# Allegro board ZC7020-PCB.brd (continued)
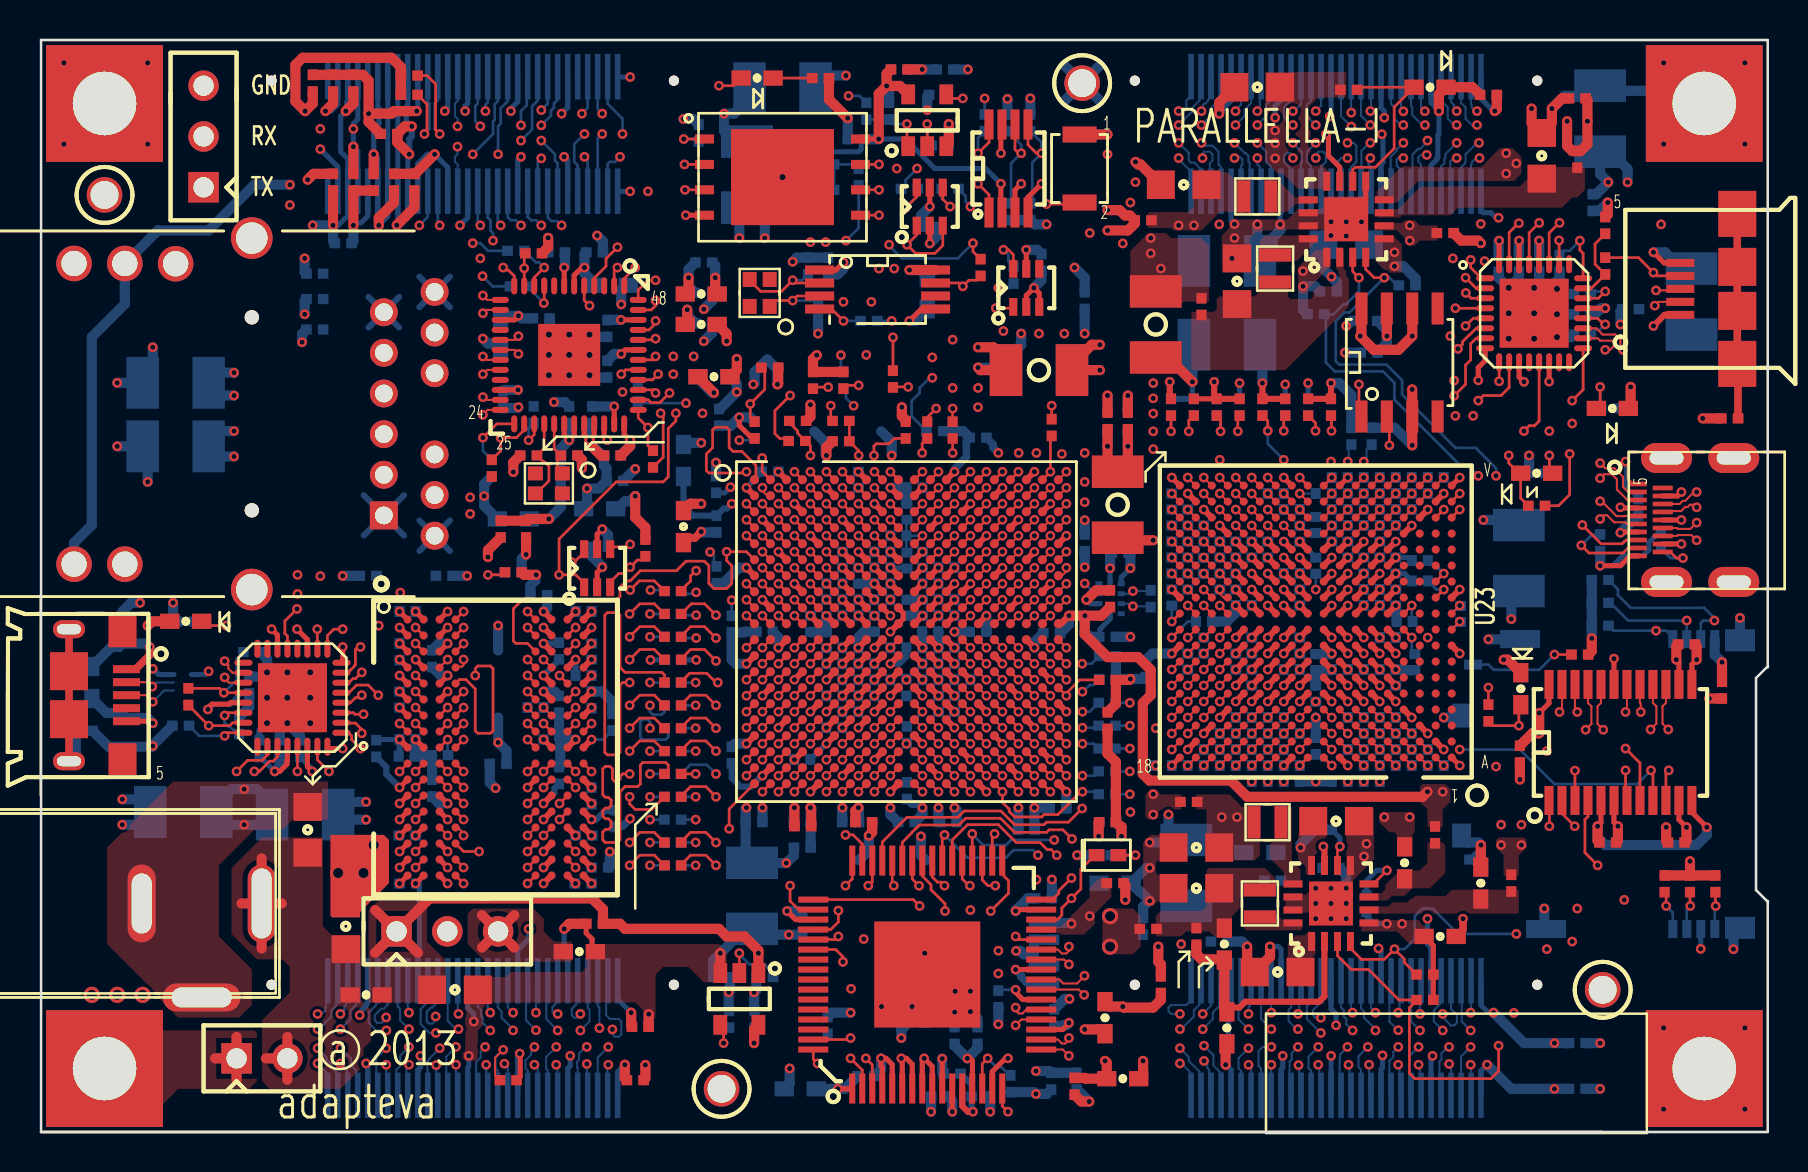
[diagram p0: board, top side]
## Routing (per net, layer and track width the routed paths; a pad name or vN(x,y) marks a point on that pad's centre or on a via; arc(x,y) is an arc through that point) (continued)
QSPI_CS_L: length 29.9
  TOP w0.133: U7.1 v1(32.2,49.66) ; U2.A7 v1(40.13,33.02)
  L3_SIG w0.108: v1(39.3,44.5) 38.69,45.11 34.77,45.11 34.66,45.22 34.66,47.14 34.55,47.24 34.12,47.24 34.01,47.14 34.01,45.22 33.9,45.11 33.17,45.11 32.95,45.34 32.95,49.4 32.69,49.66 v1(32.2,49.66)
  L8_SIG w0.108: v1(40.13,33.02) 40.13,34.75 40.19,34.8 40.19,36.32 39.93,36.58 39.93,37.9 39.3,38.53 39.3,39.75 39.31,39.76 39.31,40.09 39.3,40.11 v1(39.3,44.5)
  BOTTOM w0.133: R28.2 32.83,49.66 v1(32.2,49.66)
QSPI_IO_0: length 32.6
  TOP w0.133: U7.5 v1(41.96,45.85) ; v1(41.71,33.83) 41.71,34.3 41.82,34.42 42.47,34.42 42.74,34.68 R48.1 ; U2.B8 v1(40.93,32.22)
  L8_SIG w0.108: v1(41.71,33.83) 41.71,34.16 41.46,34.42 41.46,37.72 40.82,38.35 40.82,39.87 41.08,40.13 41.08,43.56 41.2,43.68 41.2,45.09 41.33,45.21 48.06,45.21 48.19,45.34 48.19,46.74 48.06,46.86 43.36,46.86 42.34,45.85 v1(41.96,45.85)
  L10_SIG w0.108: v1(41.71,33.83) 41.33,33.45 41.33,32.62 v1(40.93,32.22)
QSPI_IO_1: length 38.1
  TOP w0.133: R51.2 38.74,37.25 v1(39.42,37.25) ; U2.D6 v1(39.33,30.62) ; U7.2 v1(32.23,48.39)
  L3_SIG w0.108: v1(39.42,37.25) 39.04,36.87 39.04,34.92 39.74,34.23 39.74,32.74 39.61,32.62 39.17,32.62 38.93,32.38 38.93,31.02 v1(39.33,30.62)
  L8_SIG w0.108: v1(31.68,38.79) 31.68,39.29 31.42,39.55 31.42,48.64 31.68,48.9 36.25,48.9 36.38,48.77 36.38,48.51 36.25,48.39 v1(32.23,48.39)
  L10_SIG w0.108: v1(39.42,37.25) 38.17,37.25 37.26,38.15 32.31,38.15 v1(31.68,38.79)
QSPI_IO_2: length 35.2
  TOP w0.133: U2.B7 v1(40.13,32.22) ; 33.24,47.12 v1(32.26,47.12) ; v1(40.95,37.34) 40.35,37.34 R50.2
  L3_SIG w0.108: v1(40.13,32.22) 40.33,32.41 40.33,32.47 40.54,32.68 40.54,34.45 40.19,34.8 40.19,36.58 v1(40.95,37.34)
  L8_SIG w0.108: v1(32.69,38.79) 32.37,39.1 32.37,39.36 31.9,39.83 31.9,43.94 32.16,44.2 33.2,44.2 33.33,44.32 33.33,44.7 33.2,44.83 32.18,44.83 31.9,45.11 31.9,46.33 32.18,46.61 35.49,46.61 35.61,46.74 35.61,47.12 35.49,47.24 32.39,47.24 v1(32.26,47.12)
  L10_SIG w0.108: v1(40.95,37.34) 40.57,37.72 38.29,37.72 37.54,38.47 35.74,38.47 35.11,39.1 33.01,39.1 v1(32.69,38.79)
QSPI_IO_3: length 33.6
  TOP w0.133: U7.7 v1(41.96,48.39) ; U2.A6 v1(39.33,33.02)
  L3_SIG w0.108: v1(41.96,48.39) 41.52,47.95 41.52,46.79 39.69,44.96 39.69,44.2 38.41,42.91 38.41,42.42 38.03,42.04 34.09,42.04 33.96,41.91 33.96,40.77 34.09,40.64 37.65,40.64 37.77,40.51 37.77,39.65 37.65,39.52 35.72,39.52 35.61,39.42 35.61,38.98 35.72,38.88 36.12,38.88 36.38,38.62 36.38,36.96 38.94,34.4 38.94,33.56 39.33,33.16 v1(39.33,33.02)
  BOTTOM w0.133: v1(41.96,48.39) 41.16,48.39 R97.1 40.73,48.39 R52.2 R76.2
REG_EN1: length 115.7
  TOP w0.133: v1(72.95,4.32) 72.95,3.05 72.57,2.67 68.76,2.67 68.49,2.94 68.49,6.21 68.85,6.57 R276.1 67.97,6.6 66.45,8.13 65.59,8.13 64.89,8.82 U29.3
  L5_SIG w0.108: v1(28.12,49.91) 28.12,50.29 28.76,50.93 31.8,50.93 31.93,51.06 32.56,51.06 33.09,50.53 39.28,50.53 39.93,51.18 40.95,51.18 41.2,51.44 42.85,51.44 42.98,51.56 44.63,51.56 44.88,51.31 44.88,50.29 45.27,49.91 46.15,49.91 46.28,50.04 50.35,50.04 50.98,49.4 55.17,49.4 55.93,48.64 55.93,48.39 57.58,46.74 63.17,46.74 63.68,46.23 73.08,46.23 73.46,45.85 73.46,44.2 74.35,43.31 76.07,43.31 76.51,42.87 76.51,37.85 77.14,37.21 77.14,35.31 76.76,34.92 76.13,34.92 75.75,34.54 75.36,34.54 74.98,34.16 74.98,31.24 72.95,29.21 72.95,24.26 72.7,24 72.7,22.86 72.95,22.61 72.95,20.07 73.33,19.68 73.33,18.14 73.15,17.96 73.15,16.33 72.57,15.75 72.57,9.4 73.08,8.89 73.08,6.48 73.21,6.35 73.21,4.57 v1(72.95,4.32)
  BOTTOM w0.133: J13.5 27.89,49.68 v1(28.12,49.91)
REG_EN2: length 98
  TOP w0.133: U29.10 64.89,14.16 v1(65.01,14.27)
  L5_SIG w0.108: v1(28.12,50.93) 28.5,51.31 32.18,51.31 32.31,51.44 34.47,51.44 35.36,52.32 41.07,52.32 41.58,51.82 42.73,51.82 42.85,51.94 44.76,51.94 46.28,50.42 50.73,50.42 50.85,50.29 54.92,50.29 56.31,48.9 56.31,48.51 57.71,47.12 63.3,47.12 63.81,46.61 73.59,46.61 74.48,45.72 74.48,44.32 75.11,43.69 76.25,43.69 77.52,42.42 77.52,35.05 77.02,34.54 76.38,34.54 76,34.16 76,31.11 74.35,29.46 74.35,25.4 73.97,25.02 73.97,22.73 73.33,22.1 73.33,20.19 73.71,19.81 73.71,18.01 73.43,17.73 73.43,15.72 v1(73.08,15.37)
  L10_SIG w0.108: v1(73.08,15.37) 71.68,15.37 70.03,13.72 67.11,13.72 66.73,13.34 65.95,13.34 v1(65.01,14.27)
  BOTTOM w0.133: J13.6 27.89,51.15 v1(28.12,50.93)
  BOTTOM w0.254: R277.1 65.01,14.71 v1(65.01,14.27)
REG_EN3: length 113.7
  TOP w0.133: R280.1 68.23,8.49 68.23,8.66 v1(67.74,9.14) 67.24,8.64 66.09,8.64 65.54,9.18 U29.4
  L5_SIG w0.108: v1(73.84,9.91) 73.84,11.94 75.94,14.04 75.94,18.12 76.49,18.67 76.49,21.35 75.24,22.61 75.24,24.38 76.13,25.27 76.13,30.23 77.52,31.62 77.52,33.78 79.05,35.31 79.05,37.59 79.94,38.48 79.94,42.42 77.14,45.21 77.14,47.24 70.79,53.59 28.76,53.59 26.6,51.44 26.6,49.78 27.23,49.15 v1(27.23,48.77)
  BOTTOM w0.133: v1(27.23,48.77) 27.39,48.61 J13.7 ; v1(73.84,9.91) 70.92,9.91 69.65,11.18 69.14,11.18 68.76,10.79 68.76,9.65 68.25,9.14 v1(67.74,9.14)
REG_EN4: length 103.8
  TOP w0.133: v1(67.36,13.08) 66.69,12.41 U29.8
  L5_SIG w0.108: v1(74.09,15.37) 74.73,16 74.73,17.78 75.36,18.41 75.49,18.41 75.87,18.8 75.87,19.43 75.6,19.7 75.6,21.48 74.86,22.23 74.86,24.64 75.49,25.27 75.49,30.1 77.14,31.75 77.14,33.91 78.67,35.43 78.67,37.72 79.57,38.62 79.57,41.66 77.16,44.07 75.75,44.07 75.49,44.32 75.49,45.72 74.22,46.99 64.06,46.99 63.55,47.5 61.27,47.5 60.38,48.39 60.38,51.18 60,51.56 56.06,51.56 55.17,50.67 50.98,50.67 50.85,50.8 46.41,50.8 44.76,52.45 43.74,52.45 43.23,52.96 41.07,52.96 40.8,53.23 35.76,53.23 34.34,51.82 32.31,51.82 32.06,51.56 31.04,51.56 30.91,51.69 27.87,51.69 v1(27.1,50.93)
  L10_SIG w0.108: v1(67.36,13.08) 70.16,13.08 71.94,14.86 73.59,14.86 v1(74.09,15.37)
  BOTTOM w0.133: v1(27.1,50.93) 27.39,51.22 J13.8
  BOTTOM w0.254: v1(67.36,13.08) 66.86,13.08 66.35,12.57 R283.1
RESET_N: length 25
  L3_SIG w0.108: v1(22.02,50.29) 21.77,50.55 21.77,51.44 22.41,52.07 30.28,52.07 30.79,51.56 32.44,51.56 33.71,52.83 38.15,52.83 39.17,51.82 v1(40.44,51.82)
  BOTTOM w0.133: v1(22.02,50.29) 21.77,50.55 21.77,51.31 21.89,51.44 J13.30 ; v1(40.44,51.82) 40.99,51.82 R98.2
RXI_CCLK_N: length 26.4
  TOP w0.102: v1(48.94,27.42) U2.H17 ; U23.K1 v1(71.01,26.33)
  L8_SIG w0.095: v1(48.94,27.42) 48.64,27.42 48.57,27.49 48.57,27.69 48.71,27.83 49.16,27.83 49.34,28.01 49.34,28.38 49.59,28.63 51.5,28.63 51.5,28.64 52.57,28.64 52.78,28.43 52.78,27.97 53,27.75 55.16,27.75 56.57,26.34 56.82,26.34 57.33,25.83 69.01,25.83 69.51,26.33 v1(71.01,26.33)
RXI_CCLK_P: length 26.1
  TOP w0.102: U23.J1 70.61,25.13 v1(71.01,25.53) ; v1(48.14,27.42) U2.H16
  L8_SIG w0.095: v1(71.01,25.53) 70.51,26.02 69.64,26.02 69.14,25.53 57.2,25.53 56.7,26.04 56.44,26.04 55.03,27.44 52.88,27.44 52.49,27.82 52.09,27.82 52.08,27.81 49.57,27.81 49.33,27.56 49.33,27.18 49.33,27.18 49.16,27.01 48.54,27.01 v1(48.14,27.42)
RXI_EA_DATA0_N: length 8.3
  TOP w0.102: U23.T18 v1(56.61,31.13) ; U2.A20 v1(51.34,33.02)
  L3_SIG w0.095: v1(56.61,31.13) 56.91,31.13 57.03,31.25 57.03,31.42 56.91,31.54 56.4,31.54 56.24,31.7 53.77,31.7 52.21,33.26 51.58,33.26 v1(51.34,33.02)
RXI_EA_DATA0_P: length 8.8
  TOP w0.102: U2.B19 v1(50.54,32.22) ; U23.U18 v1(56.61,31.93)
  L3_SIG w0.095: v1(50.54,32.22) 50.94,32.63 50.94,33.18 51.33,33.57 52.34,33.57 53.9,32 56.53,32 v1(56.61,31.93)
RXI_EA_DATA1_N: length 10.5
  TOP w0.102: U2.B20 v1(51.34,32.22) ; U23.R17 v1(57.41,30.33)
  L5_SIG w0.095: v1(57.41,30.33) 57.02,29.94 56.32,29.94 56.09,30.18 55.68,30.18 55.3,30.56 53.9,30.56 53.24,29.9 51.87,29.9 51.55,30.21 51.17,30.21 50.94,30.44 50.94,31.71 51.23,32 51.23,32.12 v1(51.34,32.22)
RXI_EA_DATA1_P: length 10.2
  TOP w0.102: U23.T17 v1(57.41,31.13) ; U2.C20 v1(51.34,31.42)
  L5_SIG w0.095: v1(57.41,31.13) 57.46,31.08 57.46,30.86 57.33,30.74 56.26,30.74 56.01,30.48 55.81,30.48 55.43,30.86 53.77,30.86 53.11,30.2 52,30.2 51.77,30.43 51.77,31.65 51.87,31.75 51.87,31.88 51.81,31.94 51.63,31.94 51.34,31.65 v1(51.34,31.42)
RXI_EA_DATA2_N: length 9
  TOP w0.102: U23.P16 v1(58.21,29.53) ; U2.D20 v1(51.34,30.62)
  L10_SIG w0.095: v1(58.21,29.53) 58.21,29.74 58.03,29.92 56.24,29.92 56.06,30.1 56.06,30.35 55.98,30.43 55.82,30.43 55.69,30.56 52.78,30.56 52.43,30.2 52.09,30.2 51.67,30.62 v1(51.34,30.62)
RXI_EA_DATA2_P: length 9.3
  TOP w0.102: U2.D19 v1(50.54,30.62) ; U23.R16 v1(58.21,30.33)
  L10_SIG w0.095: v1(50.54,30.62) 50.95,31.03 52.59,31.03 52.76,30.86 55.82,30.86 55.95,30.73 57.58,30.73 57.99,30.33 v1(58.21,30.33)
RXI_EA_DATA3_N: length 11.8
  TOP w0.102: U2.E19 v1(50.54,29.82) ; U23.N15 v1(59.01,28.73)
  L8_SIG w0.095: v1(59.01,28.73) 59.25,28.73 59.38,28.6 59.38,28.47 59.24,28.32 56.37,28.32 56.19,28.5 56.19,28.7 56.09,28.8 55.84,28.8 55.49,28.45 54.85,28.45 53.65,29.65 51.72,29.65 51.5,29.43 50.93,29.43 v1(50.54,29.82)
RXI_EA_DATA3_P: length 11.5
  TOP w0.102: U23.P15 v1(59.01,29.53) ; U2.E18 v1(49.74,29.82)
  L8_SIG w0.095: v1(59.01,29.53) 58.6,29.12 55.72,29.12 55.36,28.75 54.98,28.75 53.77,29.96 51.81,29.96 51.54,30.22 50.14,30.22 v1(49.74,29.82)
RXI_EA_DATA4_N: length 10
  TOP w0.102: U2.D18 v1(49.74,30.62) ; U23.P18 v1(56.61,29.53)
  L3_SIG w0.095: v1(56.61,29.53) 56.88,29.53 57,29.65 57,29.82 56.88,29.94 56.44,29.94 56.36,30.02 56.19,30.02 55.51,30.71 52.98,30.71 52.48,30.2 51.5,30.2 51.5,30.21 50.37,30.21 50.37,30.2 49.83,30.2 49.68,30.35 49.68,30.57 v1(49.74,30.62)
RXI_EA_DATA4_P: length 9.9
  TOP w0.102: U23.R18 v1(56.61,30.33) ; U2.E17 v1(48.94,29.82)
  L3_SIG w0.095: v1(48.94,29.82) 49.33,30.21 49.33,30.76 49.57,31.01 55.63,31.01 56.31,30.33 v1(56.61,30.33)
RXI_EA_DATA5_N: length 8.6
  TOP w0.102: U23.N17 v1(57.41,28.73) ; U2.F20 v1(51.34,29.02)
  L5_SIG w0.095: v1(57.41,28.73) 57.41,28.44 57.3,28.34 56.34,28.34 56.16,28.52 56.16,28.68 56.01,28.83 55.83,28.83 55.42,28.42 54.94,28.42 54.54,28.83 51.87,28.83 51.67,28.63 51.44,28.63 51.34,28.73 v1(51.34,29.02)
RXI_EA_DATA5_P: length 8.8
  TOP w0.102: U2.F19 v1(50.54,29.02) ; U23.P17 v1(57.41,29.53)
  L5_SIG w0.095: v1(50.54,29.02) 50.94,29.42 51.55,29.42 51.84,29.13 54.66,29.13 55.07,28.73 55.3,28.73 55.7,29.13 56.37,29.13 56.39,29.12 57,29.12 v1(57.41,29.53)
RXI_EA_DATA6_N: length 12.9
  TOP w0.102: U2.G18 v1(49.74,28.22) ; U23.M16 v1(58.21,27.93)
  L10_SIG w0.095: v1(58.21,27.93) 58.21,27.8 58.32,27.69 58.55,27.69 58.62,27.75 58.62,28.2 58.48,28.34 56.32,28.34 56.16,28.5 56.16,28.7 56.05,28.81 55.92,28.81 55.55,28.45 54.92,28.45 54.79,28.57 54.71,28.57 54.7,28.58 54.51,28.58 53.59,29.51 51.82,29.51 51.74,29.43 50.39,29.43 50.14,29.18 50.14,28.66 49.95,28.46 49.95,28.43 v1(49.74,28.22)
RXI_EA_DATA6_P: length 12.9
  TOP w0.102: U2.G17 v1(48.94,28.22) ; U23.N16 v1(58.21,28.73)
  L10_SIG w0.095: v1(58.21,28.73) 57.82,29.12 55.79,29.12 55.43,28.75 55.04,28.75 53.98,29.81 51.96,29.81 51.57,30.21 49.57,30.21 49.34,29.98 49.34,28.63 v1(48.94,28.22)
RXI_EA_DATA7_N: length 11.7
  TOP w0.102: U2.G20 51.11,27.82 51.34,28.04 v1(51.34,28.22) ; U23.L15 59.2,26.73 59.01,26.92 v1(59.01,27.13)
  L3_SIG w0.095: v1(59.01,27.13) 59.01,27.43 58.92,27.52 56.38,27.52 56.19,27.33 56.19,27.1 56.13,27.04 55.81,27.04 55.62,27.24 55.62,27.37 55.68,27.43 55.81,27.43 55.93,27.56 55.93,27.69 55.81,27.81 55.55,27.81 55.43,27.69 55.17,27.69 55.11,27.75 53.13,27.75 52.76,28.12 52.76,28.45 52.5,28.7 52.12,28.7 51.64,28.22 v1(51.34,28.22)
RXI_EA_DATA7_P: length 11.9
  TOP w0.102: U2.G19 v1(50.54,28.22) ; U23.M15 v1(59.01,27.93)
  L3_SIG w0.095: v1(50.54,28.22) 50.93,27.82 52.62,27.82 53,27.44 54.98,27.44 55.69,26.74 59.28,26.74 59.42,26.88 59.42,27.52 v1(59.01,27.93)
RXI_EA_FRAME_N: length 13.5
  TOP w0.102: U23.L17 v1(57.41,27.13) ; U2.G15 v1(47.34,28.22)
  L5_SIG w0.095: v1(57.41,27.13) 57.02,26.74 55.55,26.74 55.17,27.12 55.17,27.25 54.98,27.44 54.28,27.44 53.87,27.03 47.17,27.03 46.94,27.26 46.94,27.83 v1(47.34,28.22)
RXI_EA_FRAME_P: length 13.1
  TOP w0.102: U23.M17 v1(57.41,27.93) ; U2.H15 v1(47.34,27.42)
  L5_SIG w0.095: v1(57.41,27.93) 57.46,27.88 57.46,27.69 57.31,27.54 56.43,27.54 56.19,27.29 56.19,27.18 56.05,27.04 55.68,27.04 55.48,27.25 55.48,27.38 55.11,27.75 54.16,27.75 53.74,27.33 52.86,27.33 52.76,27.43 52.76,27.57 52.5,27.82 47.37,27.82 47.26,27.72 47.26,27.49 v1(47.34,27.42)
RXI_EA_LCLK_N: length 10.4
  TOP w0.102: U2.F17 v1(48.94,29.02) ; U23.M18 v1(56.61,27.93)
  L3_SIG w0.095: v1(48.94,29.02) 48.92,29.02 48.8,28.89 48.8,28.74 48.92,28.61 51.5,28.61 51.72,28.83 51.72,28.85 51.73,28.86 51.73,29.02 52.12,29.41 53.95,29.41 55.19,28.18 56.36,28.18 v1(56.61,27.93)
RXI_EA_LCLK_P: length 10.5
  TOP w0.102: U23.N18 v1(56.61,28.73) ; U2.F16 v1(48.14,29.02)
  L3_SIG w0.095: v1(48.14,29.02) 48.54,29.43 51.71,29.43 52,29.72 54.08,29.72 55.32,28.48 56.36,28.48 v1(56.61,28.73)
RXI_NO_DATA0_N: length 23.5
  TOP w0.102: U23.A2 v1(70.21,18.33)
  L3_SIG w0.095: v1(71.55,3.37) 72.15,3.96 72.15,4.16 72.25,4.26 72.25,6.59 72.34,6.68 73.44,6.68 73.71,6.96 73.71,7.59 73.44,7.86 72.12,7.86 71.99,8 71.99,8.26 72.19,8.46 73.08,8.46 73.38,8.76 73.38,9.65 73.04,10 72.34,10 72.25,10.09 72.25,11.22 71.22,12.24 71.22,17.35 70.83,17.75 70.12,17.75 69.96,17.91 69.96,18.09 70.2,18.33 v1(70.21,18.33)
  BOTTOM w0.102: v1(71.55,3.37) 71.57,3.35 J8.3
RXI_NO_DATA0_P: length 23.8
  TOP w0.102: U23.A3 v1(69.41,18.33)
  L3_SIG w0.095: v1(69.41,18.33) 69.46,18.33 69.66,18.13 69.66,17.78 70,17.44 70.7,17.44 70.92,17.22 70.92,12.12 71.94,11.09 71.94,9.97 72.22,9.69 72.91,9.69 73.08,9.53 73.08,8.89 72.95,8.76 72.06,8.76 71.68,8.38 71.68,7.87 72,7.56 73.31,7.56 73.41,7.46 73.41,7.08 73.31,6.99 72.22,6.99 71.94,6.71 71.94,4.38 71.82,4.25 v1(71.55,4.25)
  BOTTOM w0.102: v1(71.55,4.25) 71.07,3.77 J8.5
RXI_NO_DATA1_N: length 24.2
  TOP w0.102: U23.B3 v1(69.41,19.13)
  L5_SIG w0.095: v1(69.41,19.13) 69.41,19.44 69.51,19.54 69.69,19.54 69.82,19.41 69.82,18.01 69.65,17.84 69.4,17.84 69.3,17.75 69.3,17.53 69,17.23 69,16.86 69.3,16.56 70.74,16.56 71.3,16 71.3,13.08 71.02,12.81 70.77,12.81 70.67,12.7 70.67,12.4 70.79,12.27 71.01,12.27 71.29,12 71.29,11.37 71.01,11.09 70.62,11.09 70.53,11 70.53,9.96 71.29,9.19 71.29,8.84 71.38,8.75 72.32,8.75 72.62,8.44 72.62,6.86 72.32,6.55 71.05,6.55 70.97,6.48 70.97,5.59 71.07,5.49 71.33,5.49 71.55,5.71 v1(71.55,5.97)
  BOTTOM w0.102: v1(71.55,5.97) 71.57,5.99 J8.4
RXI_NO_DATA1_P: length 24.3
  TOP w0.102: U23.B4 v1(68.61,19.13)
  L5_SIG w0.095: v1(68.61,19.13) 69,18.74 69,17.65 68.76,17.41 68.76,16.51 69.01,16.26 70.61,16.26 70.99,15.88 70.99,13.21 70.9,13.11 70.65,13.11 70.36,12.83 70.36,12.27 70.67,11.97 70.89,11.97 70.98,11.87 70.98,11.49 70.89,11.4 70.49,11.4 70.22,11.12 70.22,9.83 70.98,9.07 70.98,8.72 71.26,8.44 72.19,8.44 72.32,8.32 72.32,6.99 72.19,6.86 70.92,6.86 70.67,6.6 70.67,5.46 71.05,5.08 v1(71.55,5.08)
  BOTTOM w0.102: J8.6 71.11,7.53 71.11,5.52 v1(71.55,5.08)
RXI_NO_DATA2_N: length 23.2
  TOP w0.102: U23.C4 v1(68.61,19.93)
  L8_SIG w0.095: v1(70.48,3.4) 70.89,3.81 70.89,4.4 70.64,4.65 70.31,4.65 70.23,4.56 69.94,4.56 69.72,4.78 69.72,7.64 69.81,7.74 70.65,7.74 70.92,8.01 70.92,8.64 70.65,8.92 69.81,8.92 69.72,9.01 69.72,9.91 70.18,10.37 70.18,12.83 67.99,15.02 67.99,17.95 68.2,18.16 68.2,19.52 v1(68.61,19.93)
  BOTTOM w0.102: J8.7 70.57,3.31 v1(70.48,3.4)
RXI_NO_DATA2_P: length 23.1
  TOP w0.102: U23.C5 v1(67.81,19.93)
  L8_SIG w0.095: v1(67.81,19.93) 67.4,19.52 67.4,18.1 67.68,17.82 67.68,14.9 69.88,12.7 69.88,10.5 69.41,10.03 69.41,8.89 69.68,8.61 70.52,8.61 70.61,8.52 70.61,8.14 70.52,8.04 69.68,8.04 69.41,7.77 69.41,4.66 69.81,4.25 v1(70.47,4.25)
  BOTTOM w0.102: v1(70.47,4.25) 70.41,4.25 70.09,3.94 70.09,3.63 69.99,3.52 69.99,1.92 J8.9
RXI_NO_DATA3_N: length 24.3
  TOP w0.102: U23.D5 v1(67.81,20.73)
  L8_SIG w0.095: v1(70.16,5.91) 70.06,5.91 69.93,5.78 69.93,5.61 70.06,5.49 70.41,5.49 70.77,5.84 70.77,6.35 71.68,7.26 71.68,10.97 70.97,11.68 70.97,17.17 70.67,17.48 69.9,17.48 69.6,17.78 69.42,17.78 69.37,17.83 69.13,17.83 69,17.96 69,20.18 68.86,20.32 67.51,20.32 67.39,20.44 67.39,20.61 67.51,20.73 v1(67.81,20.73)
  BOTTOM w0.102: J8.8 70.57,6.15 70.87,5.85 70.87,5.46 70.74,5.33 70.56,5.33 70.16,5.74 v1(70.16,5.91)
RXI_NO_DATA3_P: length 24.1
  TOP w0.102: U23.D6 v1(67.01,20.73)
  L8_SIG w0.095: v1(67.01,20.73) 67.4,21.12 68.83,21.12 69.8,20.15 69.8,18.01 70.03,17.78 70.79,17.78 71.27,17.3 71.27,11.81 71.99,11.1 71.99,7.14 71.07,6.22 71.07,5.72 70.51,5.16 70.23,5.16 v1(70.16,5.08)
  BOTTOM w0.102: v1(70.16,5.08) 69.71,5.52 69.71,6.09 70.03,6.41 70.03,7.52 J8.10
RXI_NO_DATA4_N: length 23
  TOP w0.102: U23.A4 v1(68.61,18.33)
  L3_SIG w0.095: v1(68.61,18.33) 68.6,18.33 68.36,18.09 68.36,16.69 68.05,16.38 68.05,15.32 68.89,14.48 68.89,13.72 68.76,13.59 68.76,11.18 68.89,11.05 68.89,10.08 69.01,9.95 71.03,9.95 71.3,9.68 71.3,8.66 71.03,8.39 68.86,8.39 68.76,8.29 68.76,7.24 69.72,6.28 69.72,4.51 69.34,4.14 69.34,4.09 68.95,3.7 v1(68.95,3.37)
  BOTTOM w0.102: v1(68.95,3.37) 69.01,3.3 69.01,1.89 J8.13
RXI_NO_DATA4_P: length 23.1
  TOP w0.102: U23.A5 v1(67.81,18.33)
  L3_SIG w0.095: v1(68.95,4.25) 68.97,4.28 69.05,4.28 69.41,4.64 69.41,6.16 68.46,7.11 68.46,8.42 68.73,8.69 70.9,8.69 71,8.79 71,9.55 70.9,9.65 68.89,9.65 68.58,9.95 68.58,10.92 68.46,11.05 68.46,13.72 68.58,13.84 68.58,14.35 67.74,15.19 67.74,16.51 68.06,16.82 68.06,18.08 v1(67.81,18.33)
  BOTTOM w0.102: v1(68.95,4.25) 68.51,3.81 68.51,1.9 J8.15
RXI_NO_DATA5_N: length 23.4
  TOP w0.102: U23.B5 v1(67.81,19.13)
  L5_SIG w0.095: v1(67.81,19.13) 67.74,19.19 67.74,19.43 67.85,19.54 68.09,19.54 68.22,19.41 68.22,18 68.13,17.91 67.87,17.91 67.7,17.74 67.7,17.23 68.04,16.89 68.04,15.24 68.38,14.91 68.85,14.91 69.19,14.57 69.19,14.01 68.89,13.71 68.25,13.71 68.13,13.58 68.13,13.26 68.25,13.14 68.65,13.14 68.93,12.86 68.93,12.18 68.63,11.89 68.12,11.89 68.05,11.81 68.05,11.43 68.12,11.35 68.62,11.35 68.93,11.05 68.93,9.23 69.02,9.13 70.01,9.13 70.28,8.86 70.28,8.22 70.01,7.95 69.02,7.95 68.93,7.85 68.93,6.52 68.63,6.22 68.63,5.96 68.75,5.84 68.96,5.84 v1(69.02,5.91)
  BOTTOM w0.102: v1(69.02,5.91) 69.01,5.91 69.01,7.5 J8.14
RXI_NO_DATA5_P: length 23.7
  TOP w0.102: U23.B6 v1(67.01,19.13)
  L5_SIG w0.095: v1(67.01,19.13) 67.4,18.74 67.4,17.1 67.74,16.76 67.74,15.12 68.25,14.61 68.73,14.61 68.89,14.44 68.89,14.14 68.76,14.01 68.13,14.01 67.82,13.71 67.82,13.14 68.13,12.83 68.53,12.83 68.62,12.74 68.62,12.31 68.51,12.19 68,12.19 67.74,11.94 67.74,11.3 68,11.05 68.5,11.05 68.62,10.92 68.62,9.1 68.9,8.83 69.88,8.83 69.98,8.73 69.98,8.35 69.88,8.26 68.9,8.26 68.62,7.98 68.62,6.64 68.33,6.35 68.33,5.77 68.68,5.41 68.69,5.41 v1(69.02,5.08)
  BOTTOM w0.102: J8.16 68.57,5.53 v1(69.02,5.08)
RXI_NO_DATA6_N: length 22.6
  TOP w0.102: U23.C6 v1(67.01,19.93)
  L8_SIG w0.095: v1(67.01,19.93) 66.6,19.52 66.6,17.17 66.25,16.82 66.25,15.59 68.63,13.21 68.63,11.18 68.89,10.92 68.89,8.61 68.5,8.22 67.53,8.22 67.44,8.13 67.44,7.75 67.53,7.65 68.36,7.65 68.63,7.38 68.63,4.49 68.56,4.42 68.56,3.99 v1(67.93,3.37)
  BOTTOM w0.102: J8.17 68,1.91 68,3.3 v1(67.93,3.37)
RXI_NO_DATA6_P: length 22.5
  TOP w0.102: U23.C7 v1(66.21,19.93)
  L8_SIG w0.095: v1(66.21,19.93) 66.07,19.79 66.07,19.56 65.81,19.3 65.81,16.96 65.94,16.83 65.94,15.47 68.33,13.08 68.33,11.05 68.58,10.8 68.58,8.74 68.37,8.53 67.41,8.53 67.13,8.25 67.13,7.62 67.41,7.35 68.23,7.35 68.33,7.25 68.33,4.65 v1(67.93,4.25)
  BOTTOM w0.102: J8.19 67.49,1.92 67.49,3.55 67.68,3.74 67.68,4 v1(67.93,4.25)
RXI_NO_DATA7_N: length 22.7
  TOP w0.102: U23.D7 v1(66.21,20.73)
  L8_SIG w0.095: v1(66.21,20.73) 66.25,20.73 66.37,20.85 66.37,21.01 66.25,21.13 65.92,21.13 65.8,21.01 65.8,19.76 65.57,19.54 65.2,19.54 65,19.33 65,17.96 64.87,17.83 64.63,17.83 64.52,17.72 64.52,15.97 65.76,14.73 65.76,13.44 66.56,12.64 66.56,9.98 66.28,9.71 65.65,9.71 65.56,9.61 65.56,8.85 65.65,8.75 66.28,8.75 66.56,8.48 66.56,7.28 67.49,6.35 67.49,5.87 67.57,5.79 67.81,5.79 67.93,5.92 v1(67.93,5.97)
  BOTTOM w0.102: J8.18 68,7.49 68,6.03 v1(67.93,5.97)
RXI_NO_DATA7_P: length 22.7
  TOP w0.102: U23.D8 v1(65.41,20.73)
  L8_SIG w0.095: v1(65.41,20.73) 65.02,20.34 65.02,19.78 64.77,19.54 64.46,19.54 64.22,19.29 64.22,15.85 65.46,14.61 65.46,13.31 66.25,12.52 66.25,10.11 66.16,10.01 65.53,10.01 65.25,9.74 65.25,8.72 65.53,8.45 66.16,8.45 66.25,8.35 66.25,7.16 67.18,6.23 67.18,5.74 67.84,5.09 v1(67.93,5.09)
  BOTTOM w0.102: J8.20 67.49,7.48 67.49,5.52 67.92,5.09 v1(67.93,5.09)
RXI_NO_FRAME_N: length 24.5
  TOP w0.102: U23.B7 v1(66.21,19.13)
  L5_SIG w0.095: v1(66.21,19.13) 66.27,19.13 66.62,18.78 66.62,17.92 66.22,17.53 v1(66.21,17.53) 65.95,17.27 65.84,17.27 65.71,17.15 65.71,16.31 67.22,14.8 67.22,13.64 66.96,13.37 66.96,9.75 66.54,9.33 66.54,8.27 66.22,7.95 66.22,7.67 66.35,7.54 66.78,7.54 66.98,7.75 66.98,8.38 67.24,8.64 67.87,8.64 68.13,8.38 68.13,6.86 67.74,6.48 66.63,6.48 66.34,6.19 66.34,5.59 66.47,5.46 66.62,5.46 66.63,5.47 67.24,5.47 67.36,5.6 67.36,5.84 67.24,5.97 v1(66.79,5.97)
  BOTTOM w0.102: v1(66.79,5.97) 66.57,6.19 J8.24
RXI_NO_FRAME_P: length 24.3
  TOP w0.102: U23.B8 v1(65.41,19.13)
  L5_SIG w0.095: v1(66.79,5.08) 66.55,5.08 66.47,5.16 66.34,5.16 66.04,5.46 66.04,6.32 66.5,6.78 67.62,6.78 67.82,6.98 67.82,8.26 67.74,8.33 67.36,8.33 67.29,8.26 67.29,7.62 66.91,7.24 66.22,7.24 65.91,7.54 65.91,8.08 66.23,8.39 66.23,9.46 66.65,9.88 66.65,13.5 66.92,13.77 66.92,14.67 65.41,16.18 v1(65.41,17.53) 65.8,17.92 65.8,18.71 65.41,19.1 v1(65.41,19.13)
  BOTTOM w0.102: v1(66.79,5.08) 66.79,5.14 66.22,5.71 66.22,6.03 66.07,6.18 J8.26
RXI_NO_LCLK_N: length 22.6
  TOP w0.102: U23.A6 v1(67.01,18.33)
  L3_SIG w0.095: v1(66.47,3.37) 67.23,3.37 67.54,3.67 67.54,6.35 67.16,6.73 67.16,7.37 67.54,7.74 67.54,8.39 67.24,8.69 66.22,8.69 66.09,8.81 66.09,10.16 66.22,10.29 66.6,10.29 66.91,10.59 66.91,12.17 66.6,12.47 66.24,12.47 66.14,12.57 66.14,12.95 66.24,13.04 66.73,13.04 67.03,13.35 67.03,13.59 67.11,13.66 67.24,13.66 67.54,13.97 67.54,14.73 67.24,15.04 66.85,15.04 66.76,15.13 66.76,15.49 66.46,15.8 66.35,15.8 66.27,15.87 66.27,16.94 66.6,17.27 66.6,17.92 v1(67.01,18.33)
  BOTTOM w0.102: J8.23 66.47,1.93 v1(66.47,3.37)
RXI_NO_LCLK_P: length 22.6
  TOP w0.102: U23.A7 v1(66.21,18.33)
  L3_SIG w0.095: v1(66.21,18.33) 65.82,17.94 65.82,17.27 65.97,17.12 65.97,15.75 66.22,15.49 66.33,15.49 66.46,15.37 66.46,15 66.73,14.73 67.11,14.73 67.24,14.61 67.24,14.1 67.11,13.97 66.98,13.97 66.73,13.72 66.73,13.48 66.6,13.35 66.11,13.35 65.84,13.08 65.84,12.44 66.11,12.17 66.47,12.17 66.6,12.04 66.6,10.72 66.47,10.59 66.09,10.59 65.79,10.29 65.79,8.69 66.09,8.38 67.11,8.38 67.23,8.26 67.23,7.87 66.86,7.49 66.86,6.6 67.23,6.22 67.23,4.38 67.11,4.25 v1(66.41,4.25)
  BOTTOM w0.102: J8.25 66.07,3.12 65.95,3.24 65.95,3.79 v1(66.41,4.25)
RXI_SO_DATA0_N: length 24.6
  TOP w0.102: U23.V3 v1(69.41,32.73)
  L3_SIG w0.095: v1(72,48.7) 72,48.95 72.13,49.07 72.39,49.07 72.52,48.95 72.52,47.9 69.85,45.24 69.85,40.33 69.66,40.13 69.66,39.27 69.9,39.02 69.9,35.23 70.18,34.95 71.38,34.95 71.48,34.86 71.48,34.48 71.38,34.38 70.18,34.38 69.9,34.11 69.9,32.98 69.82,32.89 69.82,32.57 69.82,32.56 69.82,32.49 69.7,32.36 69.55,32.36 69.42,32.49 69.42,32.72 v1(69.41,32.73)
  BOTTOM w0.102: v1(72,48.7) 71.82,48.7 71.6,48.49 71.6,48.39 71.57,48.36 J9.3
RXI_SO_DATA0_P: length 24.8
  TOP w0.102: U23.V2 v1(70.21,32.73)
  L3_SIG w0.095: v1(70.21,32.73) 70.21,32.85 70.21,32.85 70.21,33.98 70.3,34.08 71.51,34.08 71.78,34.35 71.78,34.98 71.51,35.26 70.3,35.26 70.21,35.35 70.21,39.15 69.96,39.4 69.96,40.01 70.16,40.2 70.16,45.11 72.82,47.78 72.82,49.07 72.52,49.38 72.09,49.38 72,49.47 v1(71.97,49.47)
  BOTTOM w0.102: v1(71.97,49.47) 71.87,49.47 71.36,48.96 71.36,48.95 71.3,48.89 71.3,48.52 71.27,48.49 71.27,48.43 71.07,48.24 J9.5
RXI_SO_DATA1_N: length 24
  TOP w0.102: U23.U4 v1(68.61,31.93)
  L8_SIG w0.095: v1(71.87,51.05) 71.48,50.66 71.48,50.19 71.82,49.86 72.13,49.86 72.57,49.42 72.57,48.26 69.85,45.54 69.85,40.45 69.28,39.88 69.28,33.26 69,32.98 69,32.32 v1(68.61,31.93)
  BOTTOM w0.102: J9.4 71.57,51.4 71.6,51.36 71.6,51.24 71.8,51.05 v1(71.87,51.05)
RXI_SO_DATA1_P: length 24
  TOP w0.102: U23.U3 v1(69.41,31.93)
  L8_SIG w0.095: v1(71.87,50.36) 72.07,50.16 72.26,50.16 72.87,49.55 72.87,48.13 70.16,45.42 70.16,40.32 69.59,39.75 69.59,33.26 69.8,33.05 69.8,32.32 v1(69.41,31.93)
  BOTTOM w0.102: J9.6 71.07,51.47 71.3,51.24 71.3,50.67 71.62,50.36 v1(71.87,50.36)
RXI_SO_DATA2_N: length 24.7
  TOP w0.102: U23.T5 v1(67.81,31.13)
  L8_SIG w0.095: v1(67.81,31.13) 67.81,30.83 67.69,30.71 67.52,30.71 67.4,30.83 67.4,32.98 67.68,33.26 67.68,33.95 67.94,34.2 67.94,35.04 67.84,35.13 67.51,35.13 67.24,35.41 67.24,36.04 67.51,36.31 67.84,36.31 67.94,36.41 67.94,42.6 68.25,42.91 68.25,43.48 69.09,44.32 69.09,46.35 71.3,48.57 71.3,48.9 71.18,49.02 70.96,49.02 70.86,48.91 v1(70.86,48.7)
  BOTTOM w0.102: J9.7 70.54,47.08 70.54,48.54 70.7,48.7 v1(70.86,48.7)
RXI_SO_DATA2_P: length 24.9
  TOP w0.102: U23.T4 v1(68.61,31.13)
  L8_SIG w0.095: v1(68.61,31.13) 68.22,31.52 68.22,32.98 67.99,33.21 67.99,33.82 68.24,34.08 68.24,35.16 67.97,35.44 67.64,35.44 67.54,35.53 67.54,35.91 67.64,36.01 67.97,36.01 68.24,36.28 68.24,42.47 68.56,42.79 68.56,43.36 69.4,44.2 69.4,46.23 71.61,48.44 71.61,49.1 71.24,49.47 v1(70.86,49.47)
  BOTTOM w0.102: J9.9 70.07,48.29 70.23,48.45 70.23,48.67 70.28,48.72 70.28,48.9 v1(70.86,49.47)
RXI_SO_DATA3_N: length 25.5
  TOP w0.102: U23.R6 v1(67.01,30.33)
  L10_SIG w0.095: v1(70.86,51.05) 70.69,50.89 70.45,50.89 69.85,50.29 69.85,40.1 69.84,40.09 69.84,39.51 69.85,39.5 69.85,34.02 69.49,33.66 69.49,33.32 69.37,33.2 69.13,33.2 69,33.07 69,31.77 68.75,31.52 68.45,31.52 68.22,31.29 68.22,30.98 67.97,30.74 67.42,30.74 v1(67.01,30.33)